# Altium PCB Waffling60-MX.PcbDoc (part 1 of 3)
Units mm, origin at the board's own origin, x right, y up, seen from the top; angles counter-clockwise.
Board outline 284.7 x 94.21 mm, 2 copper layers (Component Side, Bottom Layer), stack 1.571 mm thick; 179 components, 117 nets, 927 pads, 147 vias.
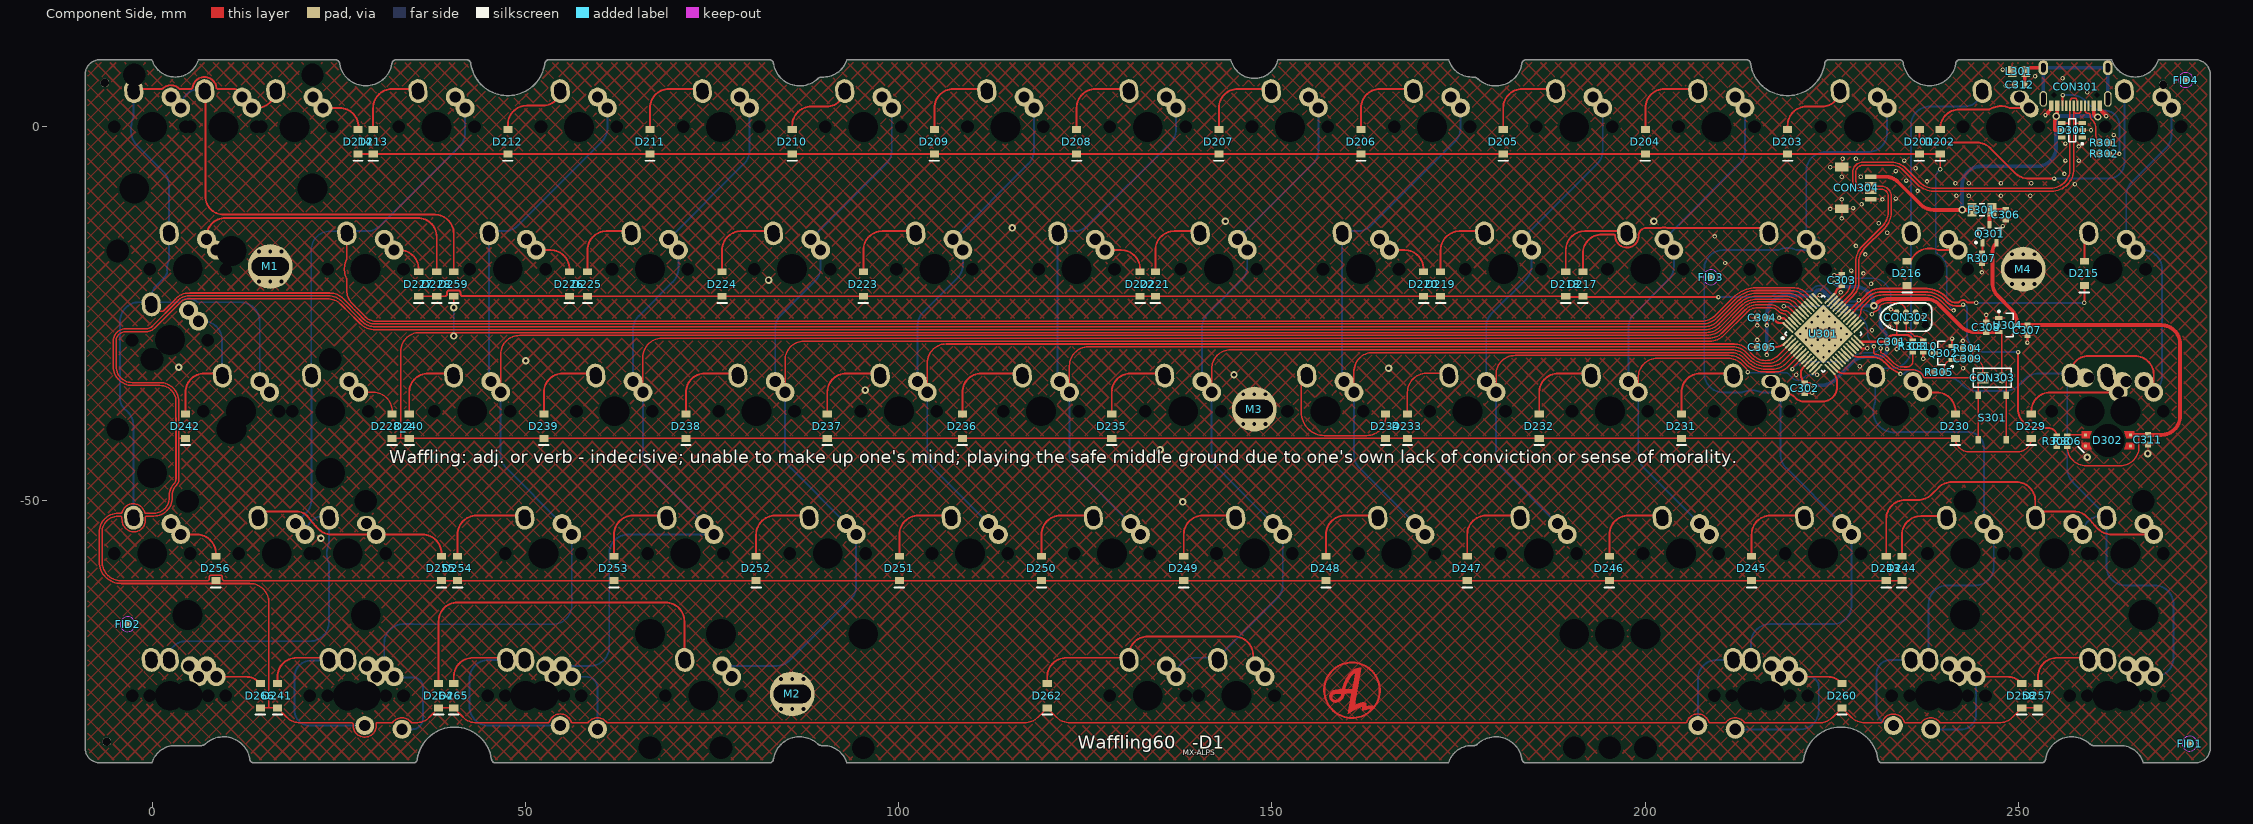
[diagram p0: Component Side view]
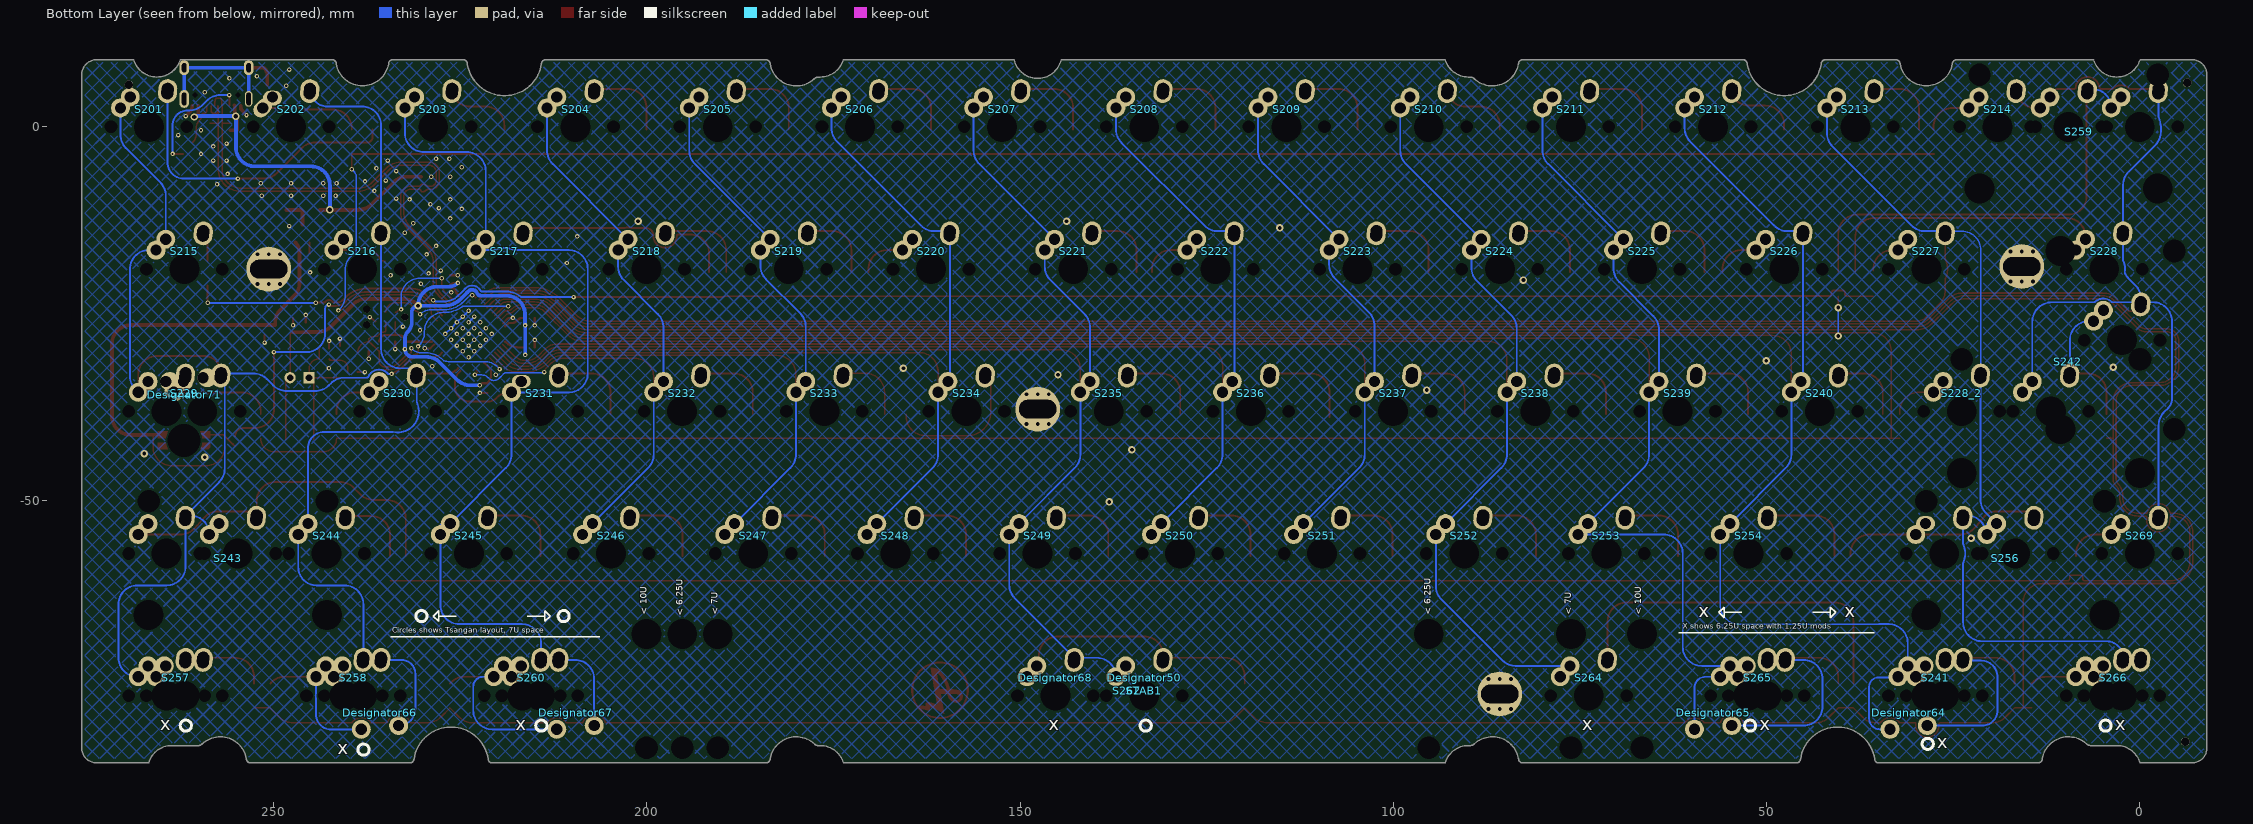
[diagram p1: Bottom Layer view, seen from below]
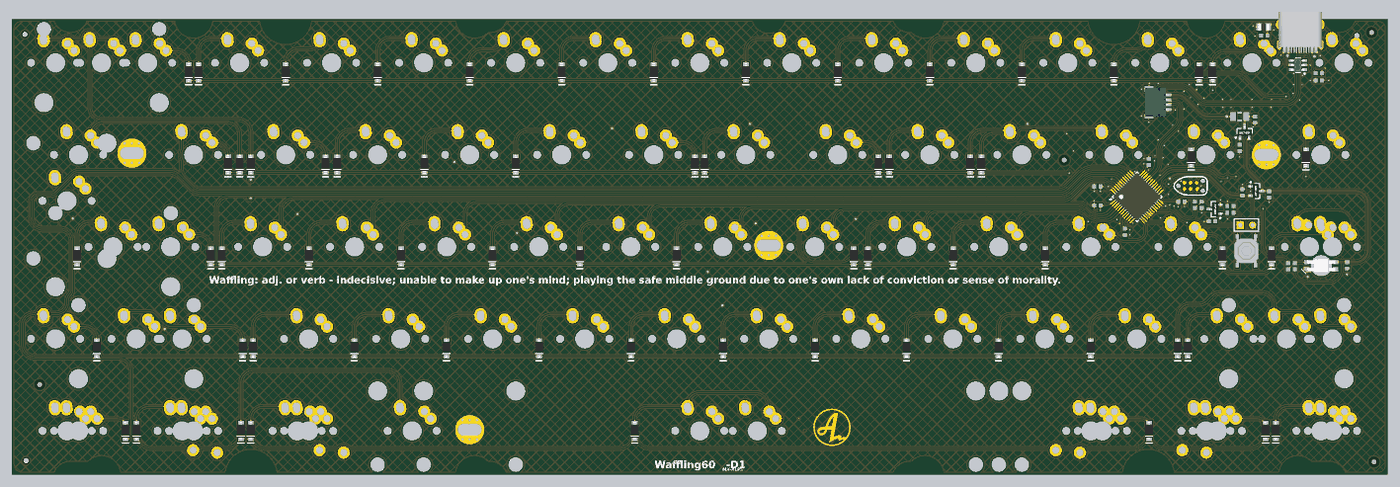
[diagram p4: 3D render of the assembled board from above, using the file's embedded part models]

## Layer stack, top to bottom
Top Solder: solder mask 0.0102, Solder Resist, Dk 3.5
Component Side: signal copper 0.0356
Dielectric 1: core 1.5, FR-4, Dk 4.2
Bottom Layer: signal copper 0.0356
Solder Side: solder mask 0.0102, Solder Resist, Dk 3.5

## Board outline
-7,-85.2 -0.041,-85.2 cw(c3.074,-86.124) 3.075,-82.875 6.532,-82.875 ccw(c6.531,-81.96) 7.178,-82.607 cw(c9.55,-85.257) 13.051,-84.629 ccw(c13.621,-84.63) 13.622,-85.2 34.966,-85.2 ccw(c34.965,-84.643) 35.522,-84.644 cw(c40.481,-85.415) 45.44,-84.644 ccw(c45.997,-84.643) 45.996,-85.2 82.654,-85.2 ccw(c82.655,-84.63) 83.225,-84.629 cw(c86.725,-85.255) 89.168,-82.672 ccw(c89.66,-82.178) 89.657,-82.875 89.925,-82.875 cw(c89.926,-86.124) 93.041,-85.2 173.647,-85.2 173.647,-85.211 cw(c176.762,-86.135) 176.763,-82.886 177.017,-82.886 ccw(c177.018,-82.162) 177.53,-82.674 cw(c179.975,-85.256) 183.475,-84.629 ccw(c184.045,-84.63) 184.046,-85.2 220.704,-85.2 ccw(c220.703,-84.643) 221.26,-84.644 cw(c226.219,-85.415) 231.178,-84.644 ccw(c231.735,-84.643) 231.734,-85.2 253.078,-85.2 ccw(c253.079,-84.63) 253.649,-84.629 cw(c257.149,-85.255) 259.616,-82.695 ccw(c260.051,-82.26) 260.05,-82.875 263.625,-82.875 cw(c263.626,-86.124) 266.741,-85.2 273.7,-85.2 ccw(c273.699,-83.199) 275.7,-83.2 275.7,-46.375 275.7,7 ccw(c273.699,6.999) 273.7,9 268.741,9 cw(c265.625,9.926) 262.509,9 242.17,9 ccw(c242.169,8.43) 241.599,8.429 cw(c238.099,9.056) 234.599,8.429 ccw(c234.029,8.43) 234.028,9 224.605,9 ccw(c224.604,8.43) 224.034,8.429 cw(c219.075,9.2) 214.116,8.429 ccw(c213.546,8.43) 213.545,9 184.046,9 ccw(c184.045,8.43) 183.475,8.429 cw(c179.975,9.056) 177.565,6.441 ccw(c177,5.875) 177.001,6.675 176.775,6.675 cw(c176.774,9.924) 173.659,9 150.789,9 150.789,8.999 cw(c147.639,9.734) 144.489,8.999 144.489,9 93.041,9 cw(c89.926,9.924) 89.925,6.675 89.671,6.675 ccw(c89.67,5.951) 89.158,6.463 cw(c86.725,9.056) 83.225,8.429 ccw(c82.655,8.43) 82.654,9 53.155,9 ccw(c53.154,8.43) 52.584,8.429 cw(c47.625,9.199) 42.666,8.429 ccw(c42.096,8.43) 42.095,9 32.672,9 ccw(c32.671,8.43) 32.101,8.429 cw(c28.601,9.056) 25.101,8.429 ccw(c24.531,8.43) 24.53,9 6.191,9 cw(c3.075,9.926) -0.041,9 -7,9 ccw(c-6.999,6.999) -9,7 -9,-46.375 -9,-83.2 ccw(c-6.999,-83.199)

## Design rules (kind name [scope] priority, off if disabled: settings)
BoardOutlineClearance [All] p1: gap=0.254 ignorepadtopadclearanceinfootprint=FALSE except(0: Arc-SplitContinuation Track-SplitContinuation SMDPad-SplitContinuation THPad-SplitContinuation Via-SplitContinuation Fill-SplitContinuation Poly-SplitContinuation Region-SplitContinuation Text-SplitContinuation)
Clearance [All] p1: gap=0.254 ignorepadtopadclearanceinfootprint=FALSE except(0: Arc-Hole Track-Hole SMDPad-Hole THPad-Hole Via-Hole Fill-Hole Poly-Hole Region-Hole Text-Hole; 0.18: Arc-Arc Arc-Track Arc-SMDPad Arc-THPad Arc-Via Arc-Fill Arc-Poly Arc-Region Arc-Text Track-Track Track-SMDPad Track-THPad Track-Via Track-Fill Track-Poly Track-Region Track-Text; 0.2: SMDPad-SMDPad SMDPad-THPad SMDPad-Via SMDPad-Fill SMDPad-Poly SMDPad-Region SMDPad-Text)
ComponentClearance [InComponent('No Component') And OnLayer('Component Side')] p1: gap=0.254 collisioncheckmode=3 verticalgap=0.254 showdistances=FALSE
DiffPairsRouting DiffPairsRouting_USB [InDifferentialPairClass('All Differential Pairs')] p1: maxlimit=0.254 minlimit=0.203 mostfreqgap=0.203 toplayer_minwidth=0.152 toplayer_maxwidth=0.381 toplayer_prefwidth=0.152 bottomlayer_minwidth=0.152 bottomlayer_maxwidth=0.381 bottomlayer_prefwidth=0.152 maxuncoupledlength=12.7
DiffPairsRouting [All] p2: maxlimit=0.254 minlimit=0.254 mostfreqgap=0.254 toplayer_minwidth=0.381 toplayer_maxwidth=0.381 toplayer_prefwidth=0.381 bottomlayer_minwidth=0.381 bottomlayer_maxwidth=0.381 bottomlayer_prefwidth=0.381 maxuncoupledlength=12.7
HoleSize [All] p1: absolutevalues=TRUE maxlimit=20 minlimit=0.025 maxpercent=80.000 minpercent=20.000
MatchedLengths MatchedLengths_USB_DiffPairs_1 [All] p1: tolerance=0.127 checknetsindiffpair=TRUE checkdiffpairvsdiffpair=FALSE checkxsignals=FALSE checkothers=FALSE
MatchedLengths MatchedLengths_USB_DiffPairs [All] p2: tolerance=0.127 checknetsindiffpair=TRUE checkdiffpairvsdiffpair=FALSE checkxsignals=FALSE checkothers=FALSE
PolygonConnect PolygonConnect_1 [All vs IsVia] p1: connectstyle=Direct reliefconductorwidth=0.254 reliefentries=4 polygonreliefangle="90 Angle" airgapwidth=0.254
PolygonConnect [All] p2: connectstyle=Relief reliefconductorwidth=0.254 reliefentries=4 polygonreliefangle="90 Angle" airgapwidth=0.254
RoutingVias [All] p1: holewidth=0.711 width=1.27 viastyle="Through Hole" minholewidth=0.711 minwidth=1.27 maxholewidth=0.711 maxwidth=1.27
SolderMaskExpansion [All] p1: expansion=0.102 istentingtop=FALSE
Width [All] p1: maxlimit=0.508 minlimit=0.203 preferedwidth=0.254 minimp=50.000000 maximp=50.000000 favimp=50.000000
27 further rules are at their usual default settings.

## Classes and differential pairs
component class Designator: C301 C302 C303 C304 C305 C306 C307 C308 C309 C310 C311 C312 CON301 CON302 CON303 CON304 D301 D302 F301 L301 M1 M2 M3 M4 Q301 Q302 R301 R302 R303 R304 R305 R306 R307 R308 S301 U301 U304
component class 1_waffling60-MX_top: FID1 FID2 FID3 FID4
differential pair D: +D_P -D_N

## Components (designator, comment, footprint, x,y, rotation, side; value= is the part's Value field where it differs from the comment)
C301 "" C0603[1608] 233.051,-28.773 r180 top value=0.1uF
C302 "" C0603[1608] 221.367,-34.996 r90 top value=0.1uF
C303 "" C0603[1608] 226.32,-20.518 r270 top value=0.1uF
C304 "" C0603[1608] 215.652,-25.598 r0 top value=0.1uF
C305 "" C0603[1608] 215.652,-29.535 r0 top value=0.1uF
C306 "" C0603[1608] 248.291,-11.755 r90 top value=4.7uF
C307 "" C0603[1608] 251.212,-27.249 r90 top value=1uF
C308 "" C0603[1608] 245.681,-26.826 r270 top value=1uF
C309 "" C0603[1608] 243.211,-31.059 r180 top value=4.7uF
C310 "" C0603[1608] 237.242,-29.408 r270 top value=470nF
C311 "" C0603[1608] 267.35,-41.915 r90 top value=0.1uF
C312 "" C0603[1608] 250.196,5.644 r0 top value=0.1uF
CON301 "TYPE-C-31-M-12" TYPE-C-31-M-12 257.65,2.835 r180 top locked
CON302 "TC2030-IDC" TC2030-IDC-NL 234.956,-25.471 r0 top
CON303 "Header 2" HDR1X2 245.243,-33.599 r0 top
CON304 "Header 5" "JST SM04B-SRSS-TB" 226.35,-8.165 r270 top
D201 "Diode" SOD-123 236.734,-2 r90 top
D202 "Diode" SOD-123 239.528,-2 r90 top
D203 "Diode" SOD-123 219.081,-2 r90 top
D204 "Diode" SOD-123 200.031,-2 r90 top
D205 "Diode" SOD-123 180.981,-2 r90 top
D206 "Diode" SOD-123 161.931,-2 r90 top
D207 "Diode" SOD-123 142.881,-2 r90 top
D208 "Diode" SOD-123 123.831,-2 r90 top
D209 "Diode" SOD-123 104.781,-2 r90 top
D210 "Diode" SOD-123 85.731,-2 r90 top
D211 "Diode" SOD-123 66.681,-2 r90 top
D212 "Diode" SOD-123 47.631,-2 r90 top
D213 "Diode" SOD-123 29.597,-2 r90 top
D214 "Diode" SOD-123 27.565,-2 r90 top
D215 "Diode" SOD-123 258.832,-19.629 r90 top
D216 "Diode" SOD-123 235.083,-19.629 r90 top
D217 "Diode" SOD-123 191.649,-21.05 r90 top
D218 "Diode" SOD-123 189.363,-21.05 r90 top
D219 "Diode" SOD-123 172.599,-21.05 r90 top
D220 "Diode" SOD-123 170.313,-21.05 r90 top
D221 "Diode" SOD-123 134.372,-21.05 r90 top
D222 "Diode" SOD-123 132.34,-21.05 r90 top
D223 "Diode" SOD-123 95.256,-21.05 r90 top
D224 "Diode" SOD-123 76.333,-21.05 r90 top
D225 "Diode" SOD-123 58.299,-21.05 r90 top
D226 "Diode" SOD-123 55.886,-21.05 r90 top
D227 "Diode" SOD-123 35.693,-21.05 r90 top
D228 "Diode" SOD-123 38.106,-21.05 r90 top
D228_2 "Diode" SOD-123 32.137,-40.1 r90 top
D229 "Diode" SOD-123 251.72,-40.1 r90 top
D230 "Diode" SOD-123 241.56,-40.1 r90 top
D231 "Diode" SOD-123 204.857,-40.1 r90 top
D232 "Diode" SOD-123 185.807,-40.1 r90 top
D233 "Diode" SOD-123 168.154,-40.1 r90 top
D234 "Diode" SOD-123 165.233,-40.1 r90 top
D235 "Diode" SOD-123 128.53,-40.1 r90 top
D236 "Diode" SOD-123 108.53,-40.1 r90 top
D237 "Diode" SOD-123 90.43,-40.1 r90 top
D238 "Diode" SOD-123 71.507,-40.1 r90 top
D239 "Diode" SOD-123 52.457,-40.1 r90 top
D240 "Diode" SOD-123 34.423,-40.1 r90 top
D241 "Diode" SOD-123 16.77,-76.2 r90 top
D242 "Diode" SOD-123 4.451,-40.1 r90 top
D243 "Diode" SOD-123 232.289,-59.15 r90 top
D244 "Diode" SOD-123 234.382,-59.15 r90 top
D245 "Diode" SOD-123 214.255,-59.15 r90 top
D246 "Diode" SOD-123 195.205,-59.15 r90 top
D247 "Diode" SOD-123 176.155,-59.15 r90 top
D248 "Diode" SOD-123 157.232,-59.15 r90 top
D249 "Diode" SOD-123 138.182,-59.15 r90 top
D250 "Diode" SOD-123 119.132,-59.15 r90 top
D251 "Diode" SOD-123 100.082,-59.15 r90 top
D252 "Diode" SOD-123 80.905,-59.15 r90 top
D253 "Diode" SOD-123 61.855,-59.15 r90 top
D254 "Diode" SOD-123 40.9,-59.15 r90 top
D255 "Diode" SOD-123 38.741,-59.15 r90 top
D256 "Diode" SOD-123 8.515,-59.15 r90 top
D257 "Diode" SOD-123 252.609,-76.2 r90 top
D258 "Diode" SOD-123 250.45,-76.2 r90 top
D259 "Diode" SOD-123 40.392,-21.05 r90 top
D260 "Diode" SOD-123 226.368,-76.2 r90 top
D262 "Diode" SOD-123 119.894,-76.2 r90 top
D264 "Diode" SOD-123 38.36,-76.2 r90 top
D265 "Diode" SOD-123 40.392,-76.2 r90 top
D266 "Diode" SOD-123 14.484,-76.2 r90 top
D301 "SRV05" SOT-23-6 257.181,-0.452 r180 top
D302 "SK6812MINI-E" "SK6812MINI-E - SHAPED" 261.993,-41.993 r0 top
Designator50 "Comment" MX_ALPS-switch 133.351,-76.2 r180 bottom
Designator64 "Comment" "ALPS-switch - 1.25U" 30.956,-76.2 r0 bottom
Designator65 "Comment" "ALPS-switch - 1.5U"#1 57.15,-76.2 r0 bottom
Designator66 "Comment" "ALPS-switch - 1.25U" 235.744,-76.2 r0 bottom
Designator67 "Comment" "ALPS-switch - 1.5U"#1 209.55,-76.2 r0 bottom
Designator68 "Comment" MX_ALPS-switch 145.257,-76.2 r180 bottom
Designator71 "Comment" "ALPS-switch - 1.5U"#2 261.938,-38.1 r180 bottom
F301 "Fuse Thermal" C1206[3216] 245.116,-11.12 r180 top
FID1 "Plug" FIDUCIAL_NORDIC 272.929,-82.621 r90 top
FID2 "Plug" FIDUCIAL_NORDIC -3.296,-66.619 r90 top
FID3 "Plug" FIDUCIAL_NORDIC 208.794,-20.137 r90 top
FID4 "Plug" FIDUCIAL_NORDIC 272.421,6.279 r90 top
L301 "Inductor" L0805 250.069,7.422 r0 top
M1 "Socket" MOUNTING_HOLE 15.8,-18.7 r0 top
M2 "Socket" MOUNTING_HOLE 85.731,-75.965 r0 top
M3 "Socket" MOUNTING_HOLE 147.638,-37.801 r0 top
M4 "Socket" MOUNTING_HOLE 250.65,-19.05 r0 top
Q301 "PMOS-2" SOT-23-3 246.132,-14.295 r90 top
Q302 "2N7002 NMOS" SOT-23-3 239.909,-30.297 r180 top
R301 "Res1" R0603[1608] 261.499,-2.103 r0 top value=5k1
R302 "Res1" R0603[1608] 261.499,-3.627 r180 top value=5k1
R303 "Res1" R0603[1608] 235.845,-29.408 r270 top value=10K
R304 "Res1" R0603[1608] 243.211,-29.662 r180 top value=10K
R305 "Res1" R0603[1608] 239.401,-32.837 r180 top value=100K
R306 "Res1" R0603[1608] 256.546,-42.108 r90 top value=10K
R307 "Res1" R0603[1608] 245.116,-17.597 r270 top value=10K
R308 "Res1" R0603[1608] 255.149,-42.108 r90 top value=470
S201 "MX" "MX_ALPS-switch switche pol"#1 266.7,0 r180 bottom locked
S202 "MX" "MX_ALPS-switch - duplicate"#1 247.65,0 r180 bottom locked
S203 "MX" "MX_ALPS-switch switche pol"#1 228.6,0 r180 bottom locked
S204 "MX" "MX_ALPS-switch switche pol"#1 209.55,0 r180 bottom locked
S205 "MX" "MX_ALPS-switch switche pol"#1 190.5,0 r180 bottom locked
S206 "MX" "MX_ALPS-switch switche pol"#1 171.45,0 r180 bottom locked
S207 "MX" "MX_ALPS-switch switche pol"#1 152.4,0 r180 bottom locked
S208 "MX" "MX_ALPS-switch switche pol"#1 133.35,0 r180 bottom locked
S209 "MX" "MX_ALPS-switch switche pol"#1 114.3,0 r180 bottom locked
S210 "MX" "MX_ALPS-switch switche pol"#1 95.25,0 r180 bottom locked
S211 "MX" "MX_ALPS-switch switche pol"#1 76.2,0 r180 bottom locked
S212 "MX" "MX_ALPS-switch switche pol"#1 57.15,0 r180 bottom locked
S213 "MX" "MX_ALPS-switch switche pol"#1 38.1,0 r180 bottom locked
S214 "MX" "MX_ALPS-switch - duplicate"#2 19.05,0 r180 bottom locked
S215 "MX" "MX_ALPS-switch switche pol"#1 261.938,-19.05 r180 bottom locked
S216 "MX" "MX_ALPS-switch - duplicate"#2 238.125,-19.05 r180 bottom locked
S217 "MX" "MX_ALPS-switch switche pol"#1 219.075,-19.05 r180 bottom locked
S218 "MX" "MX_ALPS-switch switche pol"#1 200.025,-19.05 r180 bottom locked
S219 "MX" "MX_ALPS-switch switche pol"#1 180.975,-19.05 r180 bottom locked
S220 "MX" "MX_ALPS-switch - duplicate"#2 161.925,-19.05 r180 bottom locked
S221 "MX" "MX_ALPS-switch switche pol"#1 142.875,-19.05 r180 bottom locked
S222 "MX" "MX_ALPS-switch - duplicate"#2 123.825,-19.05 r180 bottom locked
S223 "MX" "MX_ALPS-switch switche pol"#1 104.775,-19.05 r180 bottom locked
S224 "MX" "MX_ALPS-switch switche pol"#1 85.725,-19.05 r180 bottom locked
S225 "MX" "MX_ALPS-switch switche pol"#1 66.675,-19.05 r180 bottom locked
S226 "MX" "MX_ALPS-switch - duplicate"#2 47.625,-19.05 r180 bottom locked
S227 "MX" "MX_ALPS-switch - duplicate"#2 28.575,-19.05 r180 bottom locked
S228 "MX" "mx_alps - 1.5U" 4.763,-19.05 r180 bottom locked
S228_2 "MX" "MX_ALPS-switch - duplicate"#2 23.838,-38.1 r180 bottom locked
S229 "MX" "mx_alps - CAPS" 259.556,-38.1 r180 bottom locked
S230 "MX" "MX_ALPS-switch - duplicate"#2 233.362,-38.1 r180 bottom locked
S231 "MX" "MX_ALPS-switch switche pol"#2 214.312,-38.1 r180 bottom locked
S232 "MX" "MX_ALPS-switch switche pol"#1 195.262,-38.1 r180 bottom locked
S233 "MX" "MX_ALPS-switch switche pol"#1 176.213,-38.1 r180 bottom locked
S234 "MX" "MX_ALPS-switch switche pol"#1 157.162,-38.1 r180 bottom locked
S235 "MX" "MX_ALPS-switch switche pol"#1 138.112,-38.1 r180 bottom locked
S236 "MX" "MX_ALPS-switch switche pol"#1 119.062,-38.1 r180 bottom locked
S237 "MX" "MX_ALPS-switch switche pol"#1 100.013,-38.1 r180 bottom locked
S238 "MX" "MX_ALPS-switch switche pol"#1 80.962,-38.1 r180 bottom locked
S239 "MX" "MX_ALPS-switch switche pol"#1 61.912,-38.1 r180 bottom locked
S240 "MX" "MX_ALPS-switch switche pol"#1 42.862,-38.1 r180 bottom locked
S241 "MX" "mx_alps - 1u MOD-R" 28.576,-76.2 r180 bottom locked
S242 "MX" "mx_alps - Enter - Rotated Stab" 11.9,-38.1 r180 bottom locked
S243 "MX" "mx_alps - Left shift" 254.794,-57.15 r180 bottom locked
S244 "MX" MX_ALPS-switch 242.887,-57.15 r180 bottom locked
S245 "MX" "MX_ALPS-switch switche pol"#1 223.838,-57.15 r180 bottom locked
S246 "MX" "MX_ALPS-switch switche pol"#1 204.788,-57.15 r180 bottom locked
S247 "MX" "MX_ALPS-switch switche pol"#1 185.738,-57.15 r180 bottom locked
S248 "MX" "MX_ALPS-switch switche pol"#1 166.688,-57.15 r180 bottom locked
S249 "MX" "MX_ALPS-switch switche pol"#1 147.638,-57.15 r180 bottom locked
S250 "MX" "MX_ALPS-switch switche pol"#1 128.588,-57.15 r180 bottom locked
S251 "MX" "MX_ALPS-switch switche pol"#1 109.538,-57.15 r180 bottom locked
S252 "MX" "MX_ALPS-switch switche pol"#1 90.488,-57.15 r180 bottom locked
S253 "MX" "MX_ALPS-switch switche pol"#1 71.438,-57.15 r180 bottom locked
S254 "MX" "MX_ALPS-switch switche pol"#1 52.388,-57.15 r180 bottom locked
S256 "MX" "mx_alps- right shift" 16.67,-57.15 r180 bottom locked
S257 "MX" "mx_alps- 1.5u MOD-L" 261.938,-76.2 r180 bottom locked
S258 "MX" "mx_alps - 1u MOD-L" 238.126,-76.2 r180 bottom locked
S259 "MX" "mx_alps - backspace" 9.525,0 r180 bottom locked
S260 "MX" "mx_alps- 1.5u MOD-L" 214.313,-76.2 r180 bottom locked
S262 "MX" "MX-SWITCH - SPACE_V3" 133.351,-76.2 r180 bottom locked
S264 "MX" "MX_ALPS-switch switche pol"#1 73.819,-76.2 r180 bottom locked
S265 "MX" "mx_alps - 1.5u MOD-R" 52.388,-76.2 r180 bottom locked
S266 "MX" "mx_alps - 1.5u MOD-R" 4.763,-76.2 r180 bottom locked
S269 "MX" "MX_ALPS-switch - duplicate"#2 0,-57.15 r180 bottom locked
S301 "SW-PB" "XKB SWITCH" 246.513,-38.933 r270 top
STAB1 "Plug" "STAB 10U" 133.351,-76.2 r0 bottom locked
U301 "STM32F072/F303_LQFP48" "STM32 - COMBO 7X7MM" 223.88,-27.736 r45 top
U304 "XC6206P332MR" SOT-23-3 248.587,-26.544 r0 top

## Footprints (in the part's own frame and the unit in brackets; to place one, negate y for a bottom-side part, rotate by r counter-clockwise, add the part's x,y. Pads: shape width x height; smd on the part's side, far side on the other; paste and mask are expansions set on the pad)
"ALPS-switch - 1.5U"#1 [mm]
  round 2.54 hole 1.5 mask+0.102: 1(-2.5,4) 2(2.5,4.5)
  round 1 on Mech14: ""(0,0)
"ALPS-switch - 1.5U"#2 [mm]
  round 2.54 hole 1.5 copper offset 0.54,0 mask+0.102: 1(-2.5,4) 2(2.5,4.5)
  round 1 on Mech14: ""(0,0)
"ALPS-switch - 1.25U" [mm]
  round 2.54 hole 1.5 mask+0.102: 1(-2.5,4) 2(2.5,4.5)
  round 1 on Mech14: ""(0,0)
C0603[1608] [mm] "Chip Resistor, 2-Leads, Body 1,57x0,80mm, IPC Medium Density"
  rect 0.8x0.85 smd: 1(-0.65,0) 2(0.65,0)
  body extent -0.83,-0.43 0.82,0.43, height 0.5
C1206[3216] [mm]
  rect 1.2x1.8 smd: 1(-1.35,0) 2(1.35,0)
  silkscreen extent -0.35,-0.8 0.35,0.8, body extent -1.6,-0.9 1.6,0.9, height 1.2
FIDUCIAL_NORDIC [mm]
  round 1 smd paste+0 mask+0.5: 0(0,0)
  Component Side keep-out circle w0.01: c0,0 r1
HDR1X2 [mm] "Connector; Header; 2 Position"
  rect 1.5x1.5 hole 0.9 mask+0.102: 1(0,0)
  round 1.5 hole 0.9 mask+0.102: 2(2.54,0)
  silkscreen extent -1.27,-1.27 3.81,1.27
"JST SM04B-SRSS-TB" [mm]
  rect 0.6x1.55 smd: 1(-1.5,3.875) 2(-0.5,3.875) 3(0.5,3.875) 4(1.5,3.875)
  rect 1.2x1.8 smd: 5(-2.8,0) 5(2.8,0)
  body extent -3.01,-0.76 2.99,4.19, height 2.96
L0805 [mm] "based on Sunlord-GZ2012D101TF_C1015 datasheet"
  rect 1.16x1.47 smd: 1(-0.92,0) 2(0.92,0)
  body extent -1.15,-0.72 1.15,0.72, height 1.02
MOUNTING_HOLE [mm]
  round 1 hole 0.5 paste+0 mask+0: 1(-1.5,-2) 1(-1.5,2) 1(0,-2) 1(0,2) 1(1.5,-2) 1(1.5,2)
  round 6 hole 2.5 slot 5 at 0 deg mask+0: 1(0,0)
"MX-SWITCH - SPACE_V3" [mil]
  round 0 all layers, no hole mask+4: 1(-806.55,100) 2(-556.55,200)
  round 100 hole 59 mask+4: 1(-368.75,200) 1(-150,100) 2(-618.75,100) 2(100,200)
  round 60 hole 120 unplated: ""(-2437.4,-275) ""(-2250,-275) ""(1499.61,-275) ""(2250,-275)
  round 60 hole 157.01 unplated: ""(-2437.4,325) ""(-2250,325) ""(1499.61,325) ""(2250,325)
  round 0 all layers, no hole: ""(-856.55,0) ""(-656.55,0)
  round 39.37 on Mech14: ""(-656.55,0) ""(-468.75,0) ""(0,0)
  round 39.37 hole 157.01 unplated: ""(-468.75,0) ""(0,0)
  round 39.37 hole 67.01 unplated: ""(-268.75,0) ""(-200,0) ""(200,0)
"mx_alps - 1.5U" [mm]
  round 2.54 hole 1.5 mask+0.102: 1(-3.81,2.54) 1(-2.5,4)
  oval 3.2x2.54 hole 1.6 slot 2.2 at 85 deg rot 85 mask+0.102: 2(2.5,4.79)
  round 1 hole 1.7 unplated: ""(-5.08,0) ""(5.08,0)
  round 1 hole 4 unplated: ""(0,0)
  round 1 on Mech14: ""(0,0)
"mx_alps - 1.5u MOD-R" [mm]
  round 2.54 hole 1.5 mask+0.102: 1(-3.81,2.54) 1(-2.5,4) 1(-1.429,2.54)
  round 2.54 hole 1.5 copper offset -0.2,0 mask+0.102: 1(-0.119,4)
  oval 3.2x2.54 hole 1.6 slot 2.2 at 85 deg rot 85 mask+0.102: 2(2.5,4.79) 2(4.881,4.79)
  round 1 hole 1.7 unplated: ""(-5.08,0) ""(-2.699,0) ""(5.08,0) ""(7.461,0)
  round 1 on Mech14: ""(-2.381,0) ""(0,0) ""(2.381,0) ""(4.763,0)
  round 1 hole 4 unplated: ""(0,0) ""(0,0) ""(2.381,0) ""(2.381,0)
"mx_alps - 1u MOD-L" [mm]
  round 2.54 hole 1.5 mask+0.102: 1(-6.191,2.54) 1(-4.881,4) 1(-3.81,2.54)
  round 2.54 hole 1.5 copper offset -0.2,0 mask+0.102: 1(-2.5,4)
  oval 3.2x2.54 hole 1.6 slot 2.2 at 85 deg rot 85 mask+0.102: 2(0.119,4.79) 2(2.5,4.79)
  round 1 hole 1.7 unplated: ""(-7.461,0) ""(-5.08,0) ""(2.699,0) ""(5.08,0)
  round 1 hole 4 unplated: ""(-2.381,0) ""(0,0)
  round 1 on Mech14: ""(-2.381,0) ""(0,0) ""(2.381,0)
"mx_alps - 1u MOD-R" [mm]
  round 2.54 hole 1.5 mask+0.102: 1(-3.81,2.54) 1(-2.5,4) 1(-1.429,2.54)
  round 2.54 hole 1.5 copper offset -0.2,0 mask+0.102: 1(-0.119,4)
  oval 3.2x2.54 hole 1.6 slot 2.2 at 85 deg rot 85 mask+0.102: 2(2.5,4.79) 2(4.881,4.79)
  round 1 hole 1.7 unplated: ""(-5.08,0) ""(-2.699,0) ""(5.08,0) ""(7.461,0)
  round 1 on Mech14: ""(-4.763,0) ""(-2.381,0) ""(0,0) ""(2.381,0)
  round 1 hole 4 unplated: ""(0,0) ""(2.381,0)
"mx_alps - backspace" [mm]
  oval 3.2x2.54 hole 1.6 slot 2.2 at 85 deg rot 85 mask+0.102: 1(2.5,4.79) 2(12.025,4.79)
  round 2.54 hole 1.5 mask+0.102: 1(5.715,2.54) 1(7.025,4) 2(-3.81,2.54) 2(-2.5,4)
  round 1.524 hole 4 unplated: ""(-11.938,-8.255) ""(11.938,-8.255)
  round 1.524 hole 3 unplated: ""(-11.938,6.985) ""(11.938,6.985)
  round 1 hole 1.7 unplated: ""(-5.08,0) ""(4.445,0) ""(5.08,0) ""(14.605,0)
  round 1 hole 4 unplated: ""(0,0) ""(9.525,0)
  round 1 on Mech14: ""(0,0) ""(9.525,0)
"mx_alps - CAPS" [mm]
  round 2.54 hole 1.5 mask+0.102: 1(-8.572,2.54) 1(-7.263,4) 2(-3.81,2.54) 2(-2.5,4)
  oval 3.2x2.54 hole 1.6 slot 2.2 at 85 deg rot 85 mask+0.102: 1(2.5,4.79) 2(-2.262,4.79)
  round 1 hole 1.7 unplated: ""(-9.842,0) ""(5.08,0)
  round 1 hole 4 unplated: ""(-4.763,0) ""(0,0)
  round 1 on Mech14: ""(-4.763,0) ""(0,0)
"mx_alps - Enter - Rotated Stab" [mm]
  oval 3.2x2.54 hole 1.6 slot 2.2 at 85 deg rot 85 mask+0.102: 1(2.5,4.79) 2(12.03,14.32)
  round 2.54 hole 1.5 mask+0.102: 1(5.72,12.07) 1(7.03,13.53) 2(-3.81,2.54) 2(-2.5,4)
  round 1.524 hole 4 unplated: ""(-11.938,-8.255) ""(1.275,-2.408) ""(1.275,21.468) ""(11.938,-8.255)
  round 1.524 hole 3.048 unplated: ""(-11.938,6.985) ""(11.938,6.985) ""(16.515,-2.408) ""(16.515,21.468)
  round 1 hole 1.7 unplated: ""(-5.08,0) ""(4.45,9.53) ""(5.08,0) ""(14.61,9.53)
  round 1 hole 4 unplated: ""(0,0) ""(9.53,9.53)
  round 1 on Mech14: ""(0,0) ""(9.53,9.53)
"mx_alps - Left shift" [mm]
  round 2.54 hole 1.5 mask+0.102: 1(-13.335,2.54) 1(-12.025,4) 2(-3.81,2.54) 2(-2.5,4)
  oval 3.2x2.54 hole 1.6 slot 2.2 at 85 deg rot 85 mask+0.102: 1(2.5,4.79) 2(-7.025,4.79)
  round 1 hole 1.7 unplated: ""(-14.605,0) ""(-5.08,0) ""(-4.445,0) ""(5.08,0)
  round 1.524 hole 4 unplated: ""(-11.938,-8.255) ""(11.938,-8.255)
  round 1.524 hole 3.048 unplated: ""(-11.938,6.985) ""(11.938,6.985)
  round 1 hole 4 unplated: ""(-9.525,0) ""(0,0)
  round 1 on Mech14: ""(-9.525,0) ""(0,0)
"mx_alps- 1.5u MOD-L" [mm]
  round 2.54 hole 1.5 mask+0.102: 1(-6.191,2.54) 1(-4.881,4) 1(-3.81,2.54)
  round 2.54 hole 1.5 copper offset -0.2,0 mask+0.102: 1(-2.5,4)
  oval 3.2x2.54 hole 1.6 slot 2.2 at 85 deg rot 85 mask+0.102: 2(0.119,4.79) 2(2.5,4.79)
  round 1 hole 1.7 unplated: ""(-7.461,0) ""(-5.08,0) ""(2.699,0) ""(5.08,0)
  round 1 on Mech14: ""(-4.763,0) ""(-2.381,0) ""(0,0) ""(4.763,0)
  round 1 hole 4 unplated: ""(-2.381,0) ""(0,0)
"mx_alps- right shift" [mm]
  round 2.54 hole 1.5 mask+0.102: 1(-13.335,2.54) 2(-3.81,2.54) 2(-2.5,4)
  oval 2.54x2 hole 1.5 mask+0.102: 1(-12.025,4)
  oval 3.2x2.54 hole 1.6 slot 2.2 at 85 deg rot 85 mask+0.102: 1(2.5,4.79) 2(-7.025,4.79)
  round 1 hole 1.7 unplated: ""(-14.605,0) ""(-5.08,0) ""(-4.445,0) ""(5.08,0)
  round 1.524 hole 4 unplated: ""(-11.938,-8.255) ""(11.938,-8.255)
  round 1.524 hole 3.048 unplated: ""(-11.938,6.985) ""(11.938,6.985)
  round 1 hole 4 unplated: ""(-9.525,0) ""(0,0)
  round 1 on Mech14: ""(-9.525,0) ""(0,0)
MX_ALPS-switch [mm]
  round 2.54 hole 1.5 mask+0.102: 1(-3.81,2.54) 1(-2.5,4)
  oval 3.2x2.54 hole 1.6 slot 2.2 at 85 deg rot 85 mask+0.102: 2(2.5,4.79)
  round 1 hole 1.7 unplated: ""(-5.08,0) ""(5.08,0)
  round 1 hole 4 unplated: ""(0,0)
"MX_ALPS-switch - duplicate"#1 [mm]
  oval 2x2.75 hole 1.5 rot 135 mask+0.102: 1(-3.81,2.54)
  oval 2.54x2 hole 1.5 copper offset 0,-0.15 mask+0.102: 1(-2.5,4)
  oval 3.2x2.54 hole 1.6 slot 2.2 at 85 deg rot 85 mask+0.102: 2(2.5,4.79)
  round 1 hole 1.7 unplated: ""(-5.08,0) ""(5.08,0)
  round 1 hole 4 unplated: ""(0,0)
"MX_ALPS-switch - duplicate"#2 [mm]
  round 2.54 hole 1.5 mask+0.102: 1(-3.81,2.54) 1(-2.5,4)
  oval 3.2x2.54 hole 1.6 slot 2.2 at 85 deg rot 85 mask+0.102: 2(2.5,4.79)
  round 1 hole 1.7 unplated: ""(-5.08,0) ""(5.08,0)
  round 1 hole 4 unplated: ""(0,0)
"MX_ALPS-switch switche pol"#1 [mm]
  oval 3.2x2.54 hole 1.6 slot 2.2 at 85 deg rot 85 mask+0.102: 1(2.5,4.79)
  round 2.54 hole 1.5 mask+0.102: 2(-3.81,2.54) 2(-2.5,4)
  round 1 hole 1.7 unplated: ""(-5.08,0) ""(5.08,0)
  round 1 hole 4 unplated: ""(0,0)
"MX_ALPS-switch switche pol"#2 [mm]
  oval 3.2x2.54 hole 1.6 slot 2.2 at 85 deg rot 85 mask+0.102: 1(2.5,4.79)
  round 2.54 hole 1.5 mask+0.102: 2(-3.81,2.54)
  oval 2.54x1.75 hole 1.5 mask+0.102: 2(-2.5,4)
  round 1 hole 1.7 unplated: ""(-5.08,0) ""(5.08,0)
  round 1 hole 4 unplated: ""(0,0)
R0603[1608] [mm] "Chip Resistor, 2-Leads, Body 1,57x0,80mm, IPC Medium Density"
  rect 0.8x0.85 smd: 1(-0.65,0) 2(0.65,0)
  body extent -0.83,-0.43 0.82,0.43, height 0.5
"SK6812MINI-E - SHAPED" [mm]
  rect 0.4x0.4 smd: 1(3,0.75) 2(3,-0.75) 3(-3,-0.75) 4(-3,0.75)
  round 1 hole 4.4 unplated: ""(0,0)
  Component Side region: -3.5,0.304 -3.5,1.195 -2.157,1.195 -2.345,0.764 -2.447,0.304 -2.447,0.304 -2.449,0.304
  Component Side region: 2.447,0.304 2.345,0.764 2.157,1.195 2.157,1.195 3.5,1.195 3.5,0.304
  Component Side region: 2.157,-1.195 3.5,-1.195 3.5,-0.304 2.449,-0.304 2.447,-0.304 2.345,-0.764 2.157,-1.195
  Component Side region: -3.25,-1.195 -3.5,-0.945 -3.5,-0.304 -2.449,-0.304 -2.447,-0.304 -2.345,-0.764 -2.157,-1.195 -2.157,-1.195
  silkscreen extent -4.06,-1.65 -3.17,-0.76, body extent -2.94,-1.4 2.94,1.4, height 0.94
SOD-123 [mm]
  rect 0.91x1.22 smd: 1(1.635,0) 2(-1.635,0)
  silkscreen extent -2.54,-0.64 -2.54,0.63, body extent -1.87,-0.85 1.88,0.85, height 1.2
SOT-23-3 [mm] "3.3v regulator, used in Windsond S2 proto 1"
  rect 1x0.55 smd: 1(-1.2,0.95) 2(-1.2,-0.95) 3(1.2,0)
  silkscreen extent -1.32,-1.55 0.7,1.95, body extent -1.45,-1.5 1.1,1.5, height 1
SOT-23-6 [mm]
  rect 1x0.55 smd: 1(-1.375,0.95) 2(-1.375,0) 3(-1.375,-0.95) 4(1.375,-0.95) 5(1.375,0) 6(1.375,0.95)
  silkscreen extent -1.5,-1.55 0.46,1.92, body extent -1.37,-1.44 1.47,1.49, height 1.05
"STAB 10U" [mil]
  round 60 hole 157.01 unplated: ""(-2625,-325) ""(2625,-325)
  round 60 hole 120 unplated: ""(-2625,275) ""(2625,275)
  round 39.37 on Mech14: ""(0,0)
"STM32 - COMBO 7X7MM" [mm] "LQFP48, 7x7mm"
  oval 1.45x0.3 smd paste-5: 1(-4.225,2.75) 2(-4.225,2.25) 3(-4.225,1.75) 4(-4.225,1.25) 5(-4.225,0.75) 6(-4.225,0.25) 7(-4.225,-0.25) 8(-4.225,-0.75) 9(-4.225,-1.25) 10(-4.225,-1.75) 11(-4.225,-2.25) 12(-4.225,-2.75) 25(4.225,-2.75) 26(4.225,-2.25) 27(4.225,-1.75) 28(4.225,-1.25) 29(4.225,-0.75) 30(4.225,-0.25) 31(4.225,0.25) 32(4.225,0.75) 33(4.225,1.25) 34(4.225,1.75) 35(4.225,2.25) 36(4.225,2.75)
  oval 0.8x0.25 smd: 1(-3.4,2.75) 2(-3.4,2.25) 3(-3.4,1.75) 4(-3.4,1.25) 5(-3.4,0.75) 6(-3.4,0.25) 7(-3.4,-0.25) 8(-3.4,-0.75) 9(-3.4,-1.25) 10(-3.4,-1.75) 11(-3.4,-2.25) 12(-3.4,-2.75) 25(3.4,-2.75) 26(3.4,-2.25) 27(3.4,-1.75) 28(3.4,-1.25) 29(3.4,-0.75) 30(3.4,-0.25) 31(3.4,0.25) 32(3.4,0.75) 33(3.4,1.25) 34(3.4,1.75) 35(3.4,2.25) 36(3.4,2.75)
  oval 0.25x0.8 smd: 13(-2.75,-3.4) 14(-2.25,-3.4) 15(-1.75,-3.4) 16(-1.25,-3.4) 17(-0.75,-3.4) 18(-0.25,-3.4) 19(0.25,-3.4) 20(0.75,-3.4) 21(1.25,-3.4) 22(1.75,-3.4) 23(2.25,-3.4) 24(2.75,-3.4) 37(2.75,3.4) 38(2.25,3.4) 39(1.75,3.4) 40(1.25,3.4) 41(0.75,3.4) 42(0.25,3.4) 43(-0.25,3.4) 44(-0.75,3.4) 45(-1.25,3.4) 46(-1.75,3.4) 47(-2.25,3.4) 48(-2.75,3.4)
  oval 0.3x1.45 smd paste-5: 13(-2.75,-4.225) 14(-2.25,-4.225) 15(-1.75,-4.225) 16(-1.25,-4.225) 17(-0.75,-4.225) 18(-0.25,-4.225) 19(0.25,-4.225) 20(0.75,-4.225) 21(1.25,-4.225) 22(1.75,-4.225) 23(2.25,-4.225) 24(2.75,-4.225) 37(2.75,4.225) 38(2.25,4.225) 39(1.75,4.225) 40(1.25,4.225) 41(0.75,4.225) 42(0.25,4.225) 43(-0.25,4.225) 44(-0.75,4.225) 45(-1.25,4.225) 46(-1.75,4.225) 47(-2.25,4.225) 48(-2.75,4.225)
  rect 5.6x5.6 smd: 47(0,0)
  silkscreen extent -4.43,-3.65 3.65,3.65, body extent -3.52,-3.52 3.52,3.52, height 0.5
TC2030-IDC-NL [mm] "Tag-Connect 6-Pin with No Legs (PN# TC2030-IDC-NL)"
  round 0.9 hole 0.995 unplated: 0(-2.54,0) 0(2.54,-1.016) 0(2.54,1.016)
  round 0.79 smd paste-0.39: 1(-1.27,-0.635) 2(-1.27,0.635) 3(0,-0.635) 4(0,0.635) 5(1.35,-0.635) 6(1.27,0.635)
  silkscreen extent -3.43,-1.91 3.43,1.9
TYPE-C-31-M-12 [mm]
  rect 0.6x1.45 smd: A1B12(-3.25,0) A4B9(-2.45,0) B1A12(3.25,0) B4A9(2.45,0)
  rect 0.3x1.45 smd: A5(-1.25,0) A6(-0.25,0) A7(0.25,0) A8(1.25,0) B5(1.75,0) B6(0.75,0) B7(-0.75,0) B8(-1.75,0)
  oval 1x2.1 / inner oval 1.3x2.4 / far side oval 1.3x2.4 hole 0.6 slot 1.7 at 90 deg: S1(-4.32,-0.915)
  oval 1.3x2 hole 0.6 slot 1.2 at 90 deg: S1(-4.32,-5.095) S1(4.32,-5.095)
  oval 1x2.1 hole 0.6 slot 1.7 at 90 deg: S1(4.32,-0.915)
  round 0 hole 0.65 unplated: ""(-2.89,-1.445) ""(2.89,-1.445)
  body extent -4.47,-7.72 4.47,0.18, height 3.21
"XKB SWITCH" [mm] "XKB Enterprise TS-1187A-C-D-B"
  rect 1x0.75 smd: 1(-3,1.875) 1(3,1.875) 2(-3,-1.875) 2(3,-1.875)
  body extent -3.25,-2.55 3.25,2.55, height 2

## Part data
C301 C302 C303 C304 C305 C311 C312: library part Cap, "Capacitor", LCSC MFG=YAGEO, LCSC Part #=C14663, MRF.Part=CC0603KRX7R9BB104, Version="0603 imperial"
C306 C309: library part Cap, "Capacitor", LCSC MFG="Samsung Electro-Mechanics", LCSC Part #=C19666, MRF.Part=CL10A475KO8NNNC, Version="0603 imperial"
C307 C308: library part Cap, "Capacitor", LCSC MFG="Samsung Electro-Mechanics", LCSC Part #=C15849, MRF.Part=CL10A105KB8NNNC, Version="0603 imperial"
C310: library part Cap, "Capacitor", LCSC MFG="Samsung Electro-Mechanics", LCSC Part #=C1623, MRF.Part=CL10B474KA8NNNC, Version="0603 imperial"
CON301: LCSC MFG="Korean Hroparts Elec", LCSC Part #=C165948, MRF.Part=TYPE-C-31-M-12
CON302: library part "Header 3X2", "Header, 3-Pin, Dual row"
CON303: "Header, 2-Pin"
CON304: "JST for USB daughter board", LCSC MFG="JST Sales America", LCSC Part #=C160404, MRF.Part=SM04B-SRSS-TB(LF)(SN)
D201 D202 D203 D204 D205 D206 D207 D208 D209 D210 D211 D212 D213 D214 D215 D216 D217 D218 D219 D220 D221 D222 D223 D224 D225 D226 D227 D228 D228_2 D229 D230 D231 D232 D233 D234 D235 D236 D237 D238 D239 D240 D241 D242 D243 D244 D245 D246 D247 D248 D249 D250 D251 D252 D253 D254 D255 D256 D257 D258 D259 D260 D262 D264 D265 D266: "Default Diode", LCSC MFG=ST(Semtech), LCSC Part #=C81598, MRF.Part=1N4148W, Version=SOD-123
D301: LCSC MFG="ProTek Devices", LCSC Part #=C85364, MRF.Part=SRV05-4-P-T7
D302: LCSC MFG=TONYU, LCSC Part #=C524051, MRF.Part=DY-S352818/RGBC/6812-2T
F301: "Thermal Fuse", LCSC MFG="Shenzhen JDT Fuse", LCSC Part #=C135338, MRF.Part=ASMD1206-050
L301: LCSC MFG=Sunlord, LCSC Part #=C1015, MRF.Part=GZ2012D101TF, Version="0806 imperial"
Q301: "P-Channel Power MOSFET", LCSC MFG="Vishay Intertech", LCSC Part #=C10487, MRF.Part=SI2301CDS-T1-GE3, Version=SOT23-3
Q302: library part MOSFET-N, "N-Channel MOSFET", LCSC MFG="Changjiang Electronics Tech (CJ)", LCSC Part #=C8545, MRF.Part=2N7002
R301 R302: "Resistor", LCSC MFG="Uniroyal Elec", LCSC Part #=C23186, MRF.Part=0603WAF5101T5E, Version="0603 imperial"
R303 R304 R306 R307: "Resistor", LCSC MFG="Uniroyal Elec", LCSC Part #=C25804, MRF.Part=0603WAF1002T5E, Version="0603 imperial"
R305: "Resistor", LCSC MFG="Uniroyal Elec", LCSC Part #=C25803, MRF.Part=0603WAF1003T5E, Version="0603 imperial"
R308: "Resistor", LCSC MFG="UNI-ROYAL(Uniroyal Elec)", LCSC Part #=C23179, MRF.Part=0603WAF4700T5E, Version="0603 imperial"
S201 S202 S203 S204 S205 S206 S207 S208 S209 S210 S211 S212 S213 S214 S216 S217 S218 S219 S220 S221 S222 S223 S224 S225 S226 S227 S228 S228_2 S229 S230 S231 S232 S233 S234 S235 S236 S237 S238 S239 S240 S241 S242 S243 S244 S245 S246 S247 S248 S249 S250 S251 S252 S253 S254 S256 S257 S258 S259 S260 S262 S264 S265 S266 S269: library part SW-PB, "Switch"
S215: library part SW-PB, "TAB"
S301: "Switch", LCSC MFG="XKB Enterprise", LCSC Part #=C318888, MRF.Part=TS-1187A-C-D-B
U301: LCSC MFG=Geehy, LCSC Part #=C915660, MRF.Part=APM32F072CBT6
U304: library part "SOT23 LDO", LCSC MFG="Torex Semicon", LCSC Part #=C5446, MRF.Part=XC6206P332MR

## Free pads (board coordinates)
  round 1.152 hole 1.152 unplated paste+0.148 mask+0.148: ""(-6.344,5.898) ""(-6.09,-82.367) ""(269.373,5.644)

## Via types
v1: diameter 0.6, hole 0.3, Component Side to Bottom Layer, tented both sides, 102 vias
v2: diameter 0.6, hole 0.3, Component Side to Bottom Layer, tented bottom, 25 vias
v3: diameter 1, hole 0.5, Component Side to Bottom Layer, tented both sides, 17 vias
v4: diameter 1, hole 0.6, Component Side to Bottom Layer, tented both sides, 3 vias

## Nets (pads, with @x,y where several pads share a name; then routed paths per layer and width w, separated by ;. In a path a pad name is that pad's centre, name@x,y a point inside that pad or via, vN(x,y) a via of type N, cw(c..) or ccw(c..) an arc to the next point about the centre after c; other vN are vias at no path point)
BOOT0: C309.1 CON303.1 R304.1 S301.2 U301.44 | length 47.4
  Component Side w0.203: v1(218.573,-24.032) cw(c218.573,-25.34) 219.012,-24.108 cw(c218.573,-25.34) 219.498,-24.415 U301.44@220.362,-25.279 ; v1(230.638,-29.408) 230.638,-30.23 ccw(c230.841,-30.229) 230.808,-30.43 cw(c230.384,-33.109) 230.995,-30.466 cw(c230.384,-33.109) 232.3,-31.189 cw(c230.384,-33.109) 232.302,-31.191 232.915,-31.804 ccw(c234.712,-30.008) 234.712,-32.548 235.845,-32.548 ; 235.863,-32.548 cw(c235.863,-34.1) 236.863,-32.914 cw(c235.863,-34.1) 237.284,-33.478 ccw(c237.47,-33.396) 237.469,-33.599 CON303.1@245.243,-33.599 ; R304.1@243.861,-29.662 C309.1@243.861,-31.059 cw(c243.861,-32.441) 245.243,-32.441 CON303.1@245.243,-33.599 ; S301.2@244.638,-41.933 S301.2@244.638,-35.933 244.638,-34.204 cw(c245.243,-34.204) 244.872,-33.726 245.116,-33.726 CON303.1@245.243,-33.599
  Bottom Layer w0.203: v1(218.573,-24.032) 224.585,-24.032 cw(c224.585,-24.295) 224.664,-24.044 cw(c224.603,-24.238) 224.723,-24.074 ccw(c227.111,-20.85) 227.111,-24.862 227.252,-24.862 cw(c227.252,-27.402) 229.792,-27.402 229.792,-27.509 ccw(c232.332,-27.509) 230.536,-29.306 v1(230.638,-29.408)
col1: Designator71.2 S201.2 S215.2 S229.1 S243.2 S257.1 U301.20 | length 146.3
  Component Side w0.254: U301.20@227.398,-30.193 227.767,-30.563 ccw(c228.352,-29.978) 227.859,-30.642 ccw(c228.352,-29.978) 228.352,-30.805 230.384,-30.805 cw(c230.384,-33.109) 232.013,-31.48 232.746,-32.213 232.879,-32.318 ccw(c234.712,-30.008) 233.286,-32.59 v1(234.194,-33.091) ; S229.1@257.016,-33.02 cw(c259.358,-33.02) 259.358,-30.678 265.589,-30.678 cw(c265.589,-33.218) 268.129,-33.218 S229.1@268.129,-35.56
  Bottom Layer w0.254: v1(234.194,-33.091) 234.644,-33.091 ccw(c234.486,-32.892) 234.677,-33.06 cw(c235.863,-34.1) 234.809,-32.927 cw(c235.863,-34.1) 235.461,-32.575 cw(c235.863,-34.1) 237.213,-33.286 cw(c235.863,-34.1) 237.223,-33.302 ccw(c237.441,-33.172) 237.232,-33.317 237.246,-33.343 ccw(c237.471,-33.225) 237.247,-33.345 cw(c235.863,-34.1) 237.327,-33.514 ccw(c237.531,-33.31) 237.531,-33.599 240.508,-33.599 cw(c240.508,-36.139) 242.304,-34.343 242.594,-34.633 ccw(c244.39,-32.837) 244.39,-35.377 248.255,-35.377 ccw(c248.255,-32.837) 250.051,-34.633 250.92,-33.764 cw(c252.716,-35.56) 252.716,-33.02 257.016,-33.02 ccw(c257.016,-33.49) 256.546,-33.49 256.546,-45.785 ccw(c259.086,-45.785) 257.29,-47.581 S243.2@261.779,-52.07 ; S243.2@258.604,-54.61 cw(c261.144,-54.61) 261.144,-52.07 S243.2@261.779,-52.07 ; S215.2@264.438,-15.05 264.438,-9.234 cw(c266.978,-9.234) 265.181,-7.438 269.766,-2.853 ccw(c267.97,-1.057) 270.51,-1.057 S201.2@270.51,2.54 ; S215.2@265.748,-16.51 266.706,-16.51 cw(c266.706,-19.05) 269.246,-19.05 269.246,-33.391 cw(c266.706,-33.391) 268.502,-35.187 S229.1@268.129,-35.56 ; S257.1@268.129,-73.66 268.23,-73.66 ccw(c268.23,-71.12) 270.77,-71.12 270.77,-63.952 ccw(c268.23,-63.952) 268.23,-61.412 264.319,-61.412 cw(c264.319,-58.872) 261.779,-58.872 S243.2@261.779,-52.07